# Altium PCB PCB2.PcbDoc (part 1 of 3)
Units mm, origin at the board's own origin, x right, y up, seen from the top; angles counter-clockwise.
Board outline 240 x 180 mm, 2 copper layers (Top Layer, Bottom Layer); 208 components, 303 nets, 999 pads, 430 vias.
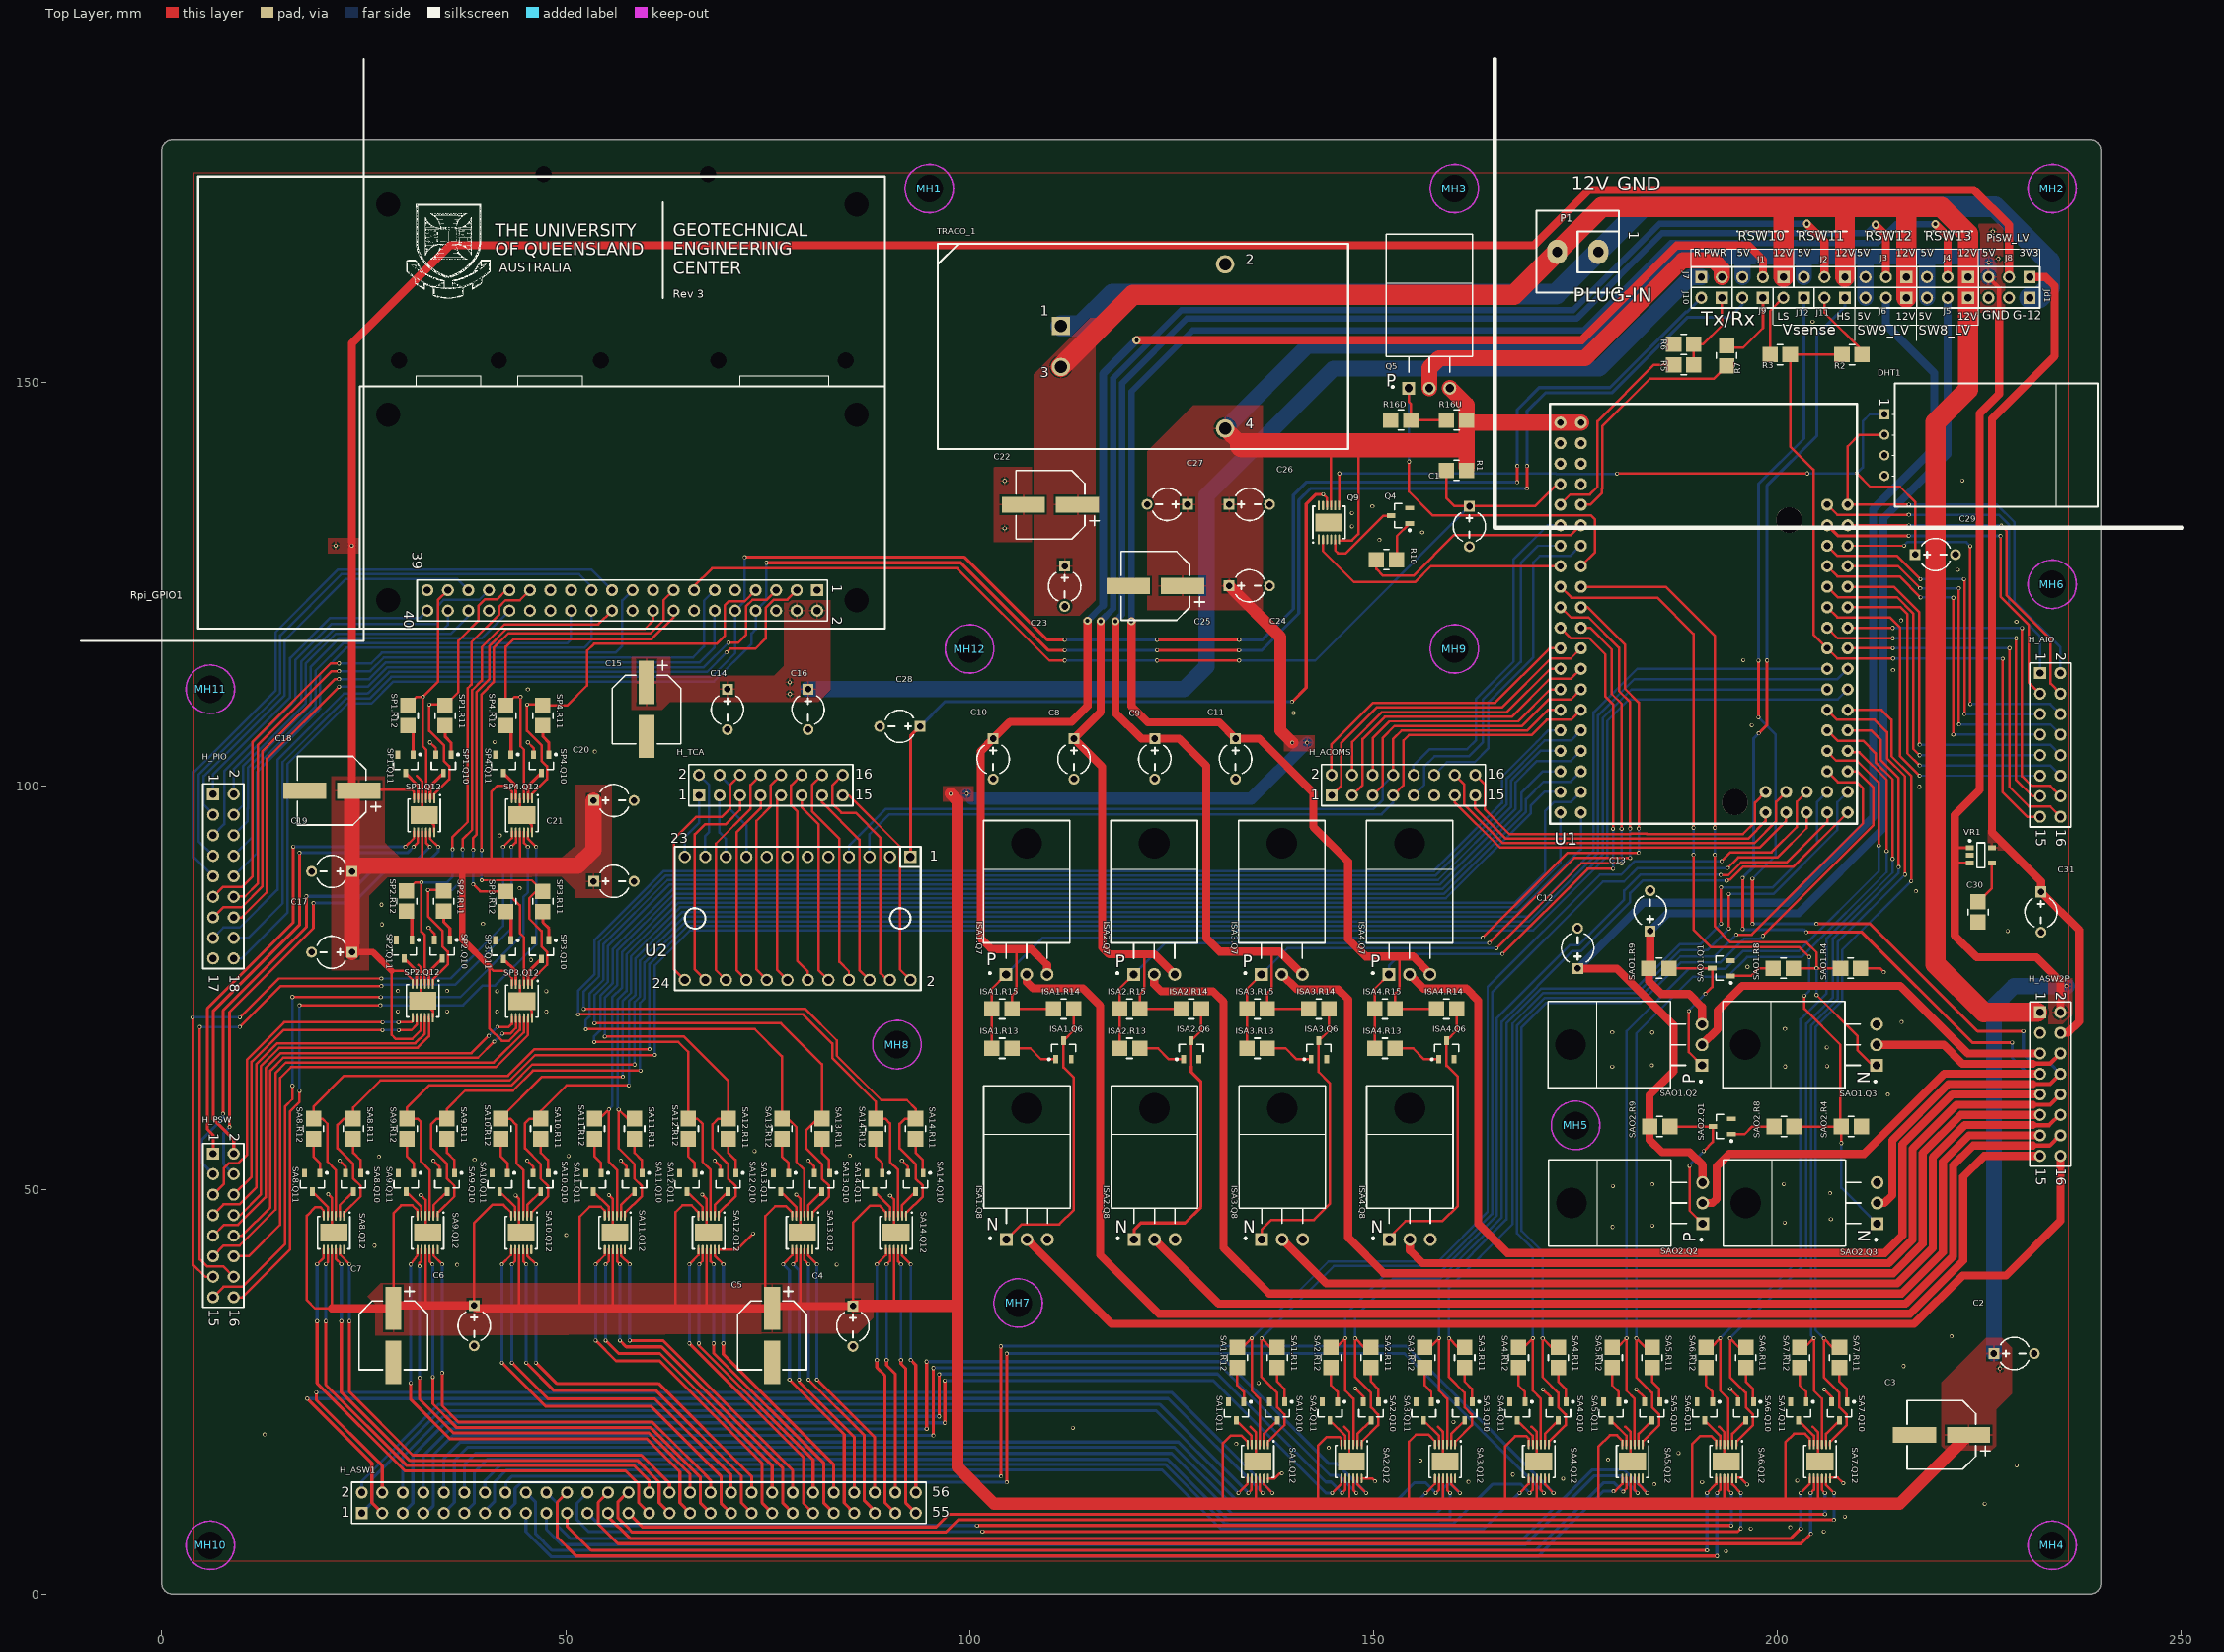
[diagram p0: Top Layer view]
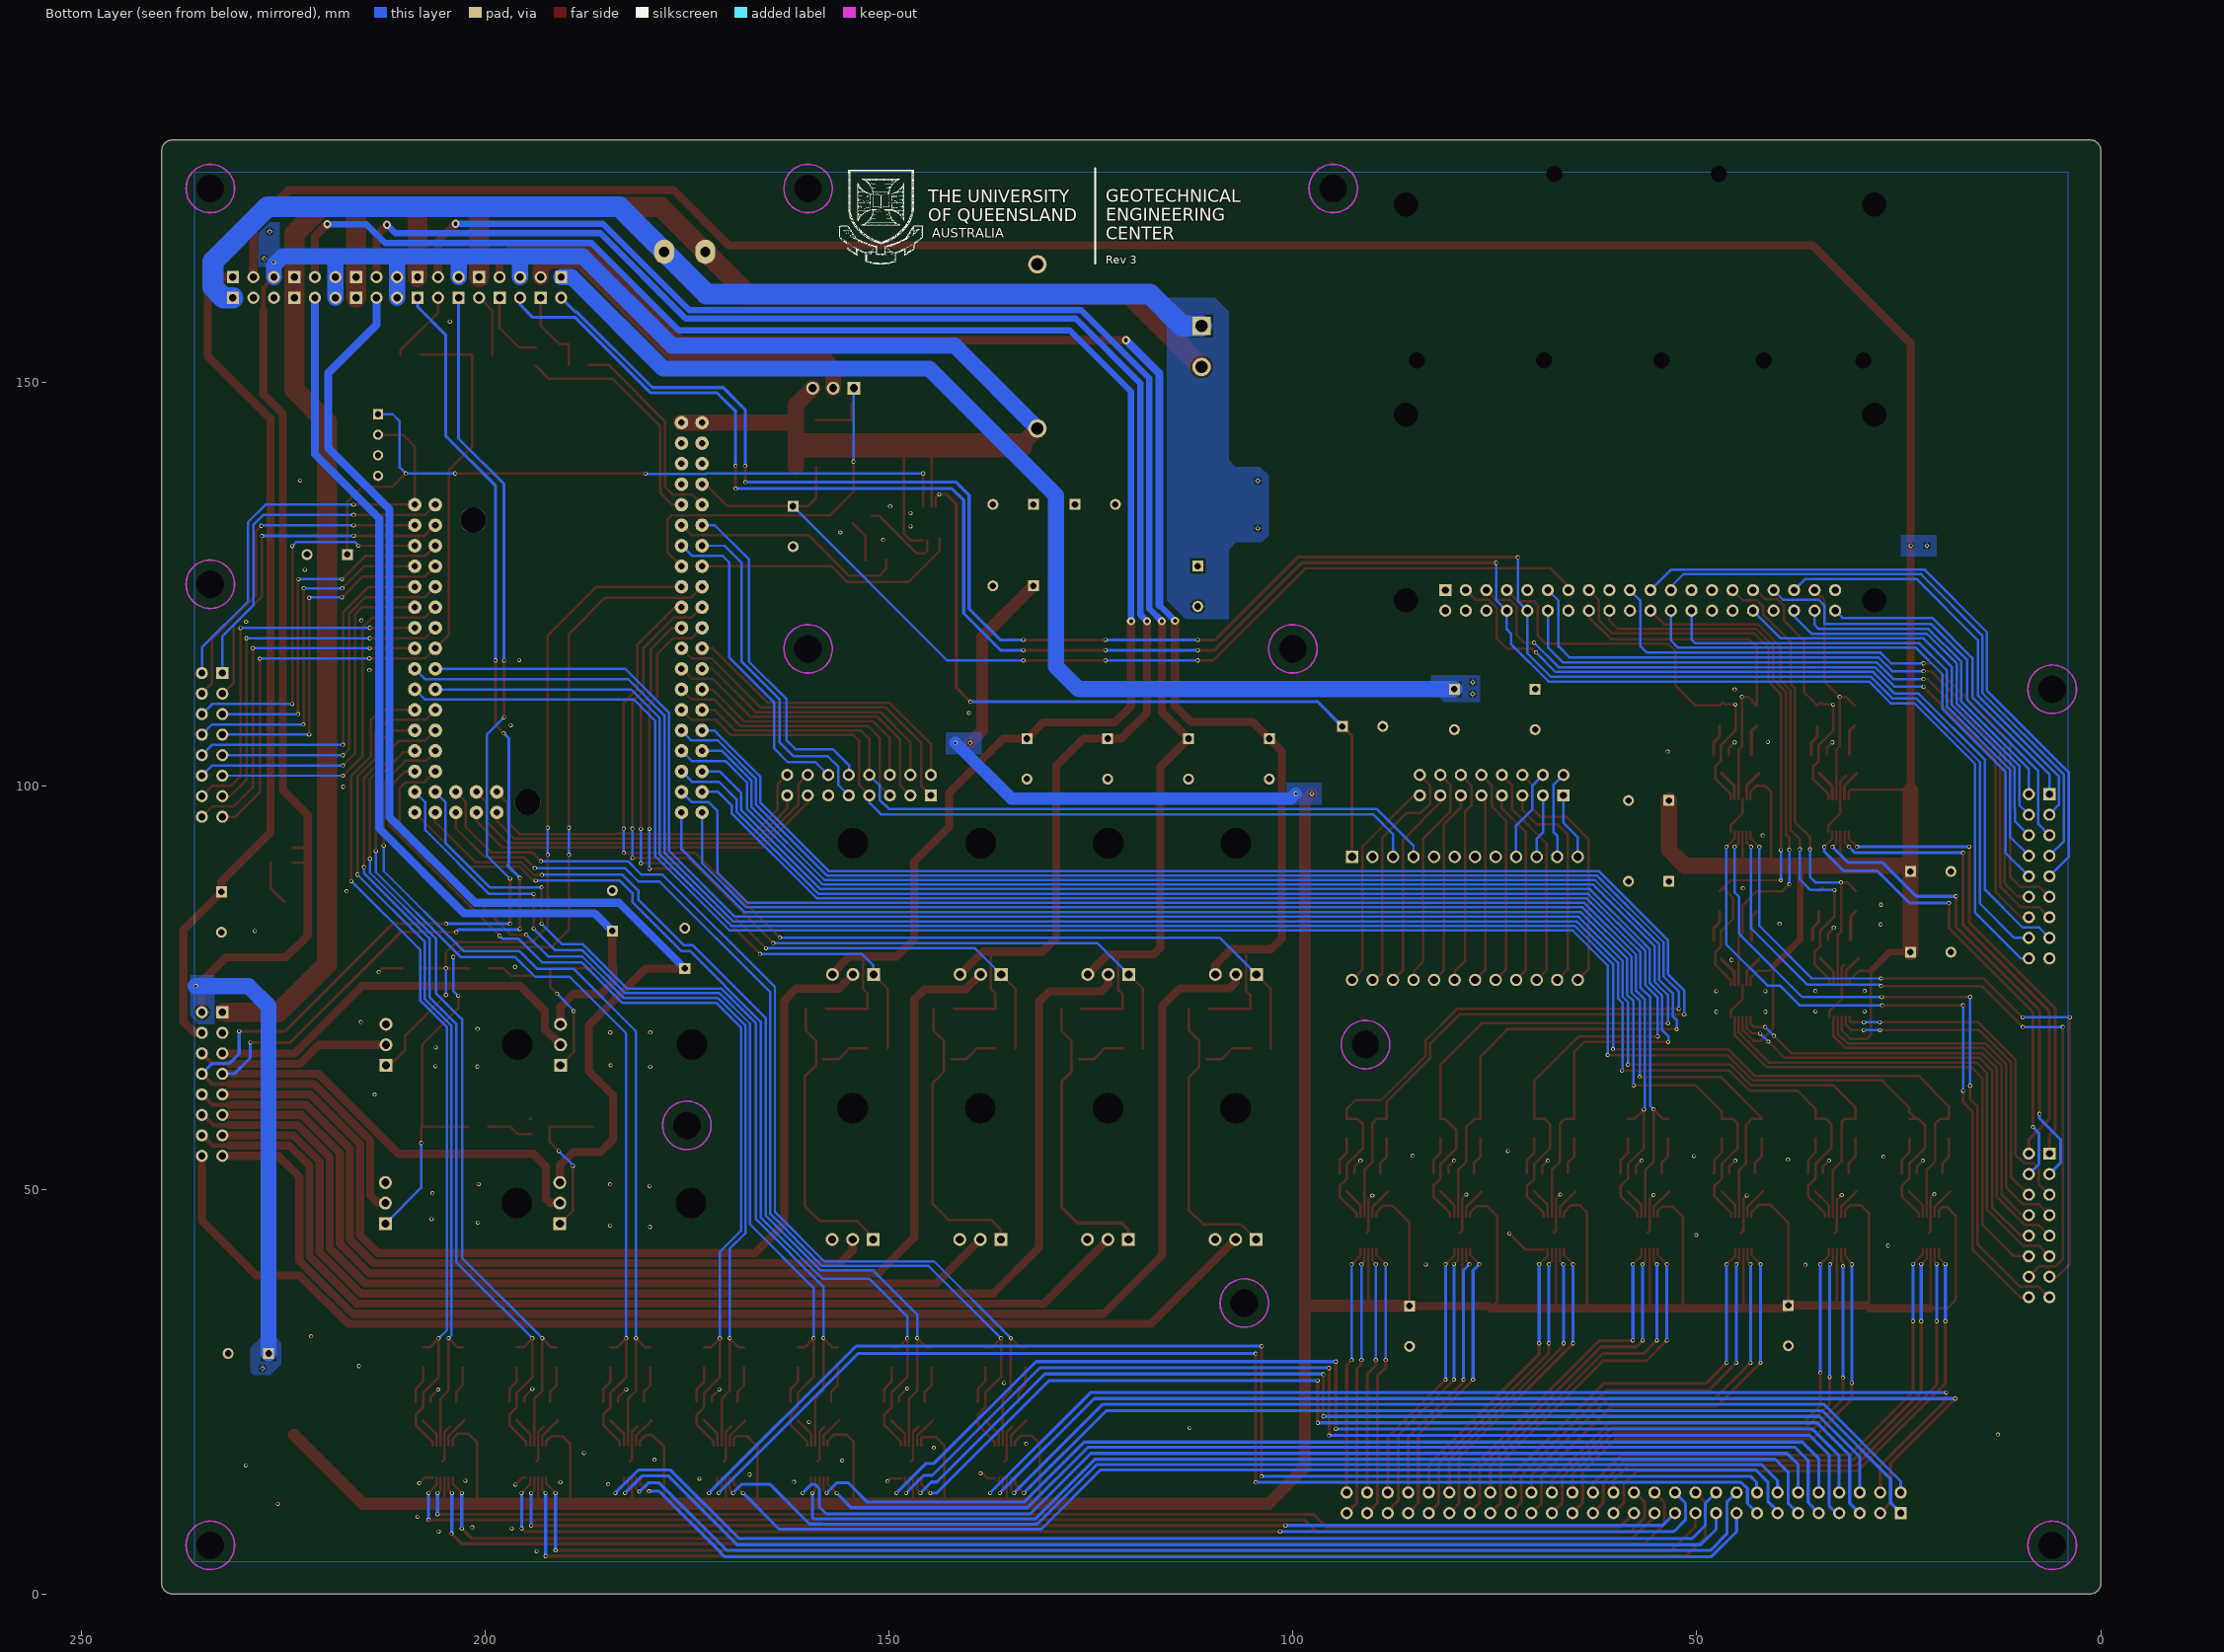
[diagram p1: Bottom Layer view, seen from below]

## Layer stack, top to bottom
Top Solder: solder mask 0.0102, Solder Resist, Dk 3.5
Top Layer: signal copper 0.0711
Dielectric 1: dielectric 0.32, FR-4, Dk 4.8
Bottom Layer: signal copper 0.0711
Bottom Solder: solder mask 0.0102, Solder Resist, Dk 3.5

## Board outline
0,1.27 0,178.73 cw(c1.27,178.73) 1.27,180 238.73,180 cw(c238.73,178.73) 240,178.73 240,1.27 cw(c238.73,1.27) 238.73,0 1.27,0 cw(c1.27,1.27)

## Design rules (kind name [scope] priority, off if disabled: settings)
Clearance [All] p1: gap=0.254 ignorepadtopadclearanceinfootprint=TRUE except(0: Arc-Hole Track-Hole SMDPad-Hole THPad-Hole Via-Hole Fill-Hole Poly-Hole Region-Hole Text-Hole)
Height [All] p1: minheight=0 maxheight=254 prefheight=254
PlaneConnect [All] p1: planeconnectstyle=Relief reliefexpansion=0.508 reliefentries=4 reliefconductorwidth=0.3 reliefairgap=0.254
PolygonConnect [All] p1: connectstyle=Relief reliefconductorwidth=0.254 reliefentries=4 polygonreliefangle="90 Angle" airgapwidth=0.254
RoomDefinition SAO1 [InComponentClass('SAO1')] p1: confinementstyle=ConfineIn formatcopy=TRUE lockcomponents=FALSE outline 213.921,62.272 213.921,79.492 171.243,79.492 171.243,62.272
RoomDefinition ISA4 [InComponentClass('ISA4')] p2: confinementstyle=ConfineIn formatcopy=TRUE lockcomponents=FALSE outline 148.28,42.609 162.08,42.609 162.08,96.209 148.28,96.209
RoomDefinition ISA3 [InComponentClass('ISA3')] p3: confinementstyle=ConfineIn formatcopy=TRUE lockcomponents=FALSE outline 132.48,42.609 146.28,42.609 146.28,96.209 132.48,96.209
RoomDefinition ISA2 [InComponentClass('ISA2')] p4: confinementstyle=ConfineIn formatcopy=TRUE lockcomponents=FALSE outline 116.68,42.609 130.48,42.609 130.48,96.209 116.68,96.209
RoomDefinition SA14 [InComponentClass('SA14')] p5: confinementstyle=ConfineIn formatcopy=TRUE lockcomponents=FALSE outline 86.08,40.21 95.68,40.21 95.68,60.514 86.08,60.514
RoomDefinition SA11 [InComponentClass('SA11')] p6: confinementstyle=ConfineIn formatcopy=TRUE lockcomponents=FALSE outline 51.28,40.21 60.88,40.21 60.88,60.514 51.28,60.514
RoomDefinition SR [InComponentClass('SR')] p7: confinementstyle=ConfineIn formatcopy=TRUE lockcomponents=FALSE outline 150.39,143.609 163.26,143.609 163.26,168.689 150.39,168.689
RoomDefinition SI-SH [InComponentClass('SI-SH')] p8: confinementstyle=ConfineIn formatcopy=TRUE lockcomponents=FALSE outline 142.12,126.42 155.454,126.42 155.454,136.64 142.12,136.64
RoomDefinition SA13 [InComponentClass('SA13')] p9: confinementstyle=ConfineIn formatcopy=TRUE lockcomponents=FALSE outline 74.48,40.21 84.08,40.21 84.08,60.514 74.48,60.514
RoomDefinition SA12 [InComponentClass('SA12')] p10: confinementstyle=ConfineIn formatcopy=TRUE lockcomponents=FALSE outline 62.88,40.21 72.48,40.21 72.48,60.514 62.88,60.514
RoomDefinition SA10 [InComponentClass('SA10')] p11: confinementstyle=ConfineIn formatcopy=TRUE lockcomponents=FALSE outline 39.68,40.21 49.28,40.21 49.28,60.514 39.68,60.514
RoomDefinition SA9 [InComponentClass('SA9')] p12: confinementstyle=ConfineIn formatcopy=TRUE lockcomponents=FALSE outline 28.08,40.21 37.68,40.21 37.68,60.514 28.08,60.514
RoomDefinition SA8 [InComponentClass('SA8')] p13: confinementstyle=ConfineIn formatcopy=TRUE lockcomponents=FALSE outline 16.48,40.21 26.08,40.21 26.08,60.514 16.48,60.514
RoomDefinition SA7 [InComponentClass('SA7')] p14: confinementstyle=ConfineIn formatcopy=TRUE lockcomponents=FALSE outline 200.444,11.883 210.044,11.883 210.044,32.186 200.444,32.186
RoomDefinition SA6 [InComponentClass('SA6')] p15: confinementstyle=ConfineIn formatcopy=TRUE lockcomponents=FALSE outline 188.844,11.883 198.444,11.883 198.444,32.186 188.844,32.186
RoomDefinition SA5 [InComponentClass('SA5')] p16: confinementstyle=ConfineIn formatcopy=TRUE lockcomponents=FALSE outline 177.244,11.883 186.844,11.883 186.844,32.186 177.244,32.186
RoomDefinition SA4 [InComponentClass('SA4')] p17: confinementstyle=ConfineIn formatcopy=TRUE lockcomponents=FALSE outline 165.644,11.883 175.244,11.883 175.244,32.186 165.644,32.186
RoomDefinition SA3 [InComponentClass('SA3')] p18: confinementstyle=ConfineIn formatcopy=TRUE lockcomponents=FALSE outline 154.044,11.883 163.644,11.883 163.644,32.186 154.044,32.186
RoomDefinition SA2 [InComponentClass('SA2')] p19: confinementstyle=ConfineIn formatcopy=TRUE lockcomponents=FALSE outline 142.444,11.883 152.044,11.883 152.044,32.186 142.444,32.186
RoomDefinition SA1 [InComponentClass('SA1')] p20: confinementstyle=ConfineIn formatcopy=TRUE lockcomponents=FALSE outline 130.844,11.883 140.444,11.883 140.444,32.186 130.844,32.186
RoomDefinition ISA1 [InComponentClass('ISA1')] p21: confinementstyle=ConfineIn formatcopy=TRUE lockcomponents=FALSE outline 100.88,42.609 114.68,42.609 114.68,96.209 100.88,96.209
RoomDefinition SP4 [InComponentClass('SP4')] p22: confinementstyle=ConfineIn formatcopy=FALSE lockcomponents=FALSE outline 40.244,91.949 49.284,91.949 49.284,111.539 40.244,111.539
RoomDefinition SP3 [InComponentClass('SP3')] p23: confinementstyle=ConfineIn formatcopy=FALSE lockcomponents=FALSE outline 40.244,68.95 49.284,68.95 49.284,88.54 40.244,88.54
RoomDefinition SP2 [InComponentClass('SP2')] p24: confinementstyle=ConfineIn formatcopy=FALSE lockcomponents=FALSE outline 27.97,68.99 37.01,68.99 37.01,88.58 27.97,88.58
RoomDefinition SAO2 [InComponentClass('SAO2')] p25: confinementstyle=ConfineIn formatcopy=TRUE lockcomponents=FALSE outline 213.999,42.676 213.999,59.896 171.32,59.896 171.32,42.676
RoomDefinition SP1 [InComponentClass('SP1')] p26: confinementstyle=ConfineIn formatcopy=FALSE lockcomponents=FALSE outline 28.134,91.949 37.174,91.949 37.174,111.539 28.134,111.539
RoutingVias [All] p1: holewidth=1 width=1.27 viastyle="Through Hole" minholewidth=0.3 minwidth=0.5 maxholewidth=1 maxwidth=2
SolderMaskExpansion [All] p1: expansion=0.102
UnConnectedPin [All] p1:
UnRoutedNet [All] p1: checkbadconnections=TRUE
Width [All] p1: maxlimit=5 minlimit=0.305 preferedwidth=0.305 minimp=50.000000 maximp=50.000000 favimp=50.000000
27 further rules are at their usual default settings.

## Classes and differential pairs
net class PI_LS_[1..8]: PI_LS_1 PI_LS_2 PI_LS_3 PI_LS_4 PI_LS_5 PI_LS_6 PI_LS_7 PI_LS_8
net class PWM[1..2]: PWM1 PWM2
net class PI_HS_[1..8]: PI_HS_1 PI_HS_2 PI_HS_3 PI_HS_4 PI_HS_5 PI_HS_6 PI_HS_7 PI_HS_8
net class INV_5V12V_LS_[1..4]: INV_5V12V_LS_1 INV_5V12V_LS_2 INV_5V12V_LS_3 INV_5V12V_LS_4
net class INV_5V12V_HS_[1..4]: INV_5V12V_HS_1 INV_5V12V_HS_2 INV_5V12V_HS_3 INV_5V12V_HS_4
net class AD[0..15]: AD0 AD1 AD2 AD3 AD4 AD5 AD6 AD7 AD8 AD9 AD10 AD11 AD12 AD13 AD14 AD15
component class SR: Q5 R16D R16U
component class SI-SH: Q4 Q9 R10
channel class Inverted_HS_LS_switch_HI_PWR: ISA1 ISA2 ISA3 ISA4
channel class HS_LS_Switch_LOW_PWR: SA1 SA2 SA3 SA4 SA5 SA6 SA7 SA8 SA9 SA10 SA11 SA12 SA13 SA14 SP1 SP2 SP3 SP4
channel class HS_LS_switch_HI_PWR: SAO1 SAO2
component class ISA4: ISA4.Q6 ISA4.Q7 ISA4.Q8 ISA4.R13 ISA4.R14 ISA4.R15
component class ISA3: ISA3.Q6 ISA3.Q7 ISA3.Q8 ISA3.R13 ISA3.R14 ISA3.R15
component class SAO2: SA02.R4 SAO2.Q1 SAO2.Q2 SAO2.Q3 SAO2.R4 SAO2.R8 SAO2.R9
component class SAO1: SA01.R4 SAO1.Q1 SAO1.Q2 SAO1.Q3 SAO1.R4 SAO1.R8 SAO1.R9
component class ISA2: ISA2.Q6 ISA2.Q7 ISA2.Q8 ISA2.R13 ISA2.R14 ISA2.R15
component class ISA1: ISA1.Q6 ISA1.Q7 ISA1.Q8 ISA1.R13 ISA1.R14 ISA1.R15
component class SP4: SP4.Q10 SP4.Q11 SP4.Q12 SP4.R11 SP4.R12
component class SP3: SP3.Q10 SP3.Q11 SP3.Q12 SP3.R11 SP3.R12
component class SP2: SP2.Q10 SP2.Q11 SP2.Q12 SP2.R11 SP2.R12
component class "Top level": C22 C23 C24 C25 C26 C27 C28 C29 C30 C31 DHT1 H_ACOMS H_AIO H_ASW1 H_ASW2P H_PIO H_PSW H_TCA J7 J9 J10 Jd1 MH1 MH2 MH3 MH4 MH5 MH6 MH7 MH8 MH9 MH10 MH11 MH12 P1 P30 P? R5 R6 R7 TRACO_1 U2 VR1
component class SA14: SA14.Q10 SA14.Q11 SA14.Q12 SA14.R11 SA14.R12
component class SA13: SA13.Q10 SA13.Q11 SA13.Q12 SA13.R11 SA13.R12
component class SA12: SA12.Q10 SA12.Q11 SA12.Q12 SA12.R11 SA12.R12
component class SA11: SA11.Q10 SA11.Q11 SA11.Q12 SA11.R11 SA11.R12
component class SA10: SA10.Q10 SA10.Q11 SA10.Q12 SA10.R11 SA10.R12
component class SA9: SA9.Q10 SA9.Q11 SA9.Q12 SA9.R11 SA9.R12
component class SA8: SA8.Q10 SA8.Q11 SA8.Q12 SA8.R11 SA8.R12
component class SA7: SA7.Q10 SA7.Q11 SA7.Q12 SA7.R11 SA7.R12
component class SA6: SA6.Q10 SA6.Q11 SA6.Q12 SA6.R11 SA6.R12
component class SA5: SA5.Q10 SA5.Q11 SA5.Q12 SA5.R11 SA5.R12
component class SA4: SA4.Q10 SA4.Q11 SA4.Q12 SA4.R11 SA4.R12
component class SA3: SA3.Q10 SA3.Q11 SA3.Q12 SA3.R11 SA3.R12
component class SA2: SA2.Q10 SA2.Q11 SA2.Q12 SA2.R11 SA2.R12
component class SA1: SA1.Q10 SA1.Q11 SA1.Q12 SA1.R11 SA1.R12
component class RPi_schematics: C14 C15 C16 C17 C18 C19 C20 C21 J8 Rpi_GPIO1
component class SP1: SP1.Q10 SP1.Q11 SP1.Q12 SP1.R11 SP1.R12
component class Arduino_2560_schematics: C1 C2 C3 C4 C5 C6 C7 C8 C9 C10 C11 C12 C13 J1 J2 J3 J4 J5 J6 J11 J12 R1 R2 R3 SP1 U1

## Components (designator, comment, footprint, x,y, rotation, side; value= is the part's Value field where it differs from the comment)
C1 "1u" CAPR5-4X5 161.854,132.16 r270 top
C2 "1u" CAPR5-4X5 229.29,29.76 r0 top
C3 "220u" CAPAE9083X80M 220.29,19.68 r180 top
C4 "220u" CAPR5-4X5 85.548,33.14 r270 top
C5 "1u" CAPAE9083X80M 75.548,32 r270 top
C6 "1u" CAPR5-4X5 38.669,33.204 r270 top
C7 "220u" CAPAE9083X80M 28.669,32 r270 top
C8 "10u" CAPR5-4X5 112.914,103.38 r270 top
C9 "10u" CAPR5-4X5 122.914,103.38 r270 top
C10 "10u" CAPR5-4X5 102.914,103.38 r270 top
C11 "10u" CAPR5-4X5 132.914,103.38 r270 top
C12 "10u" CAPR5-4X5 175.26,79.92 r90 top
C13 "10u" CAPR5-4X5 184.23,84.57 r90 top
C14 "10u" CAPR5-4X5 70.004,109.5 r270 top
C15 "1u" CAPAE9083X80M 60.004,109.5 r270 top
C16 "N/C" CAPR5-4X5 80.004,109.5 r270 top
C17 "1u" CAPR5-4X5 21.038,79.441 r180 top
C18 "220u" CAPAE9083X80M 21.038,99.441 r180 top
C19 "10u" CAPR5-4X5 21.038,89.441 r180 top
C20 "220u" CAPR5-4X5 55.95,98.221 r0 top
C21 "10u" CAPR5-4X5 55.95,88.221 r0 top
C22 "220u" CAPAE9083X80M 110,134.848 r180 top
C23 "1u" CAPR5-4X5 111.764,124.758 r270 top
C24 "220u" CAPR5-4X5 134.624,124.798 r0 top
C25 "10u" CAPAE9083X80M 123,124.798 r180 top
C26 "220u" CAPR5-4X5 134.624,134.888 r0 top
C27 "10u" CAPR5-4X5 124.464,134.888 r180 top
C28 "220u" CAPR5-4X5 91.363,107.4 r180 top
C29 "220u" CAPR5-4X5 219.53,128.68 r0 top
C30 "470p" RES-1206_M 224.83,84.42 r270 top
C31 "2.2uF" CAPR5-4X5 232.62,84.41 r270 top
DHT1 "DHT22" DHT22_HORIZONTAL 213.234,142.24 r270 top
H_ACOMS "Header 8X2" HDR2X8 144.8,98.85 r0 top
H_AIO "Header 8X2" HDR2X8 232.5,114 r270 top
H_ASW1 "Header 28X2" HDR2X28 24.75,10 r0 top
H_ASW2P "Header 8X2" HDR2X8 232.5,72 r270 top
H_PIO "Header 9X2" HDR2X9 6.35,99 r270 top
H_PSW "Header 8X2" HDR2X8 6.35,54.5 r270 top
H_TCA "Header 8X2" HDR2X8 66.5,98.85 r0 top
ISA1.Q6 "BC848B" INF-SOT23_N 111.624,67.343 r90 top (schematic designator Q6)
ISA1.Q7 "D16N5" TO-220AB_TABDOWN_PMOS#1 107.044,76.693 r0 top (schematic designator Q7)
ISA1.Q8 "MOSFET-N" TO-220AB_TABDOWN_NMOS 107.084,43.873 r0 top (schematic designator Q8)
ISA1.R13 "330" RES-1206_M 104.004,67.543 r0 top (schematic designator R13)
ISA1.R14 "4K7" RES-1206_M 111.624,72.423 r180 top (schematic designator R14)
ISA1.R15 "4K7" RES-1206_M 104.004,72.423 r0 top (schematic designator R15)
ISA2.Q6 "BC848B" INF-SOT23_N 127.424,67.343 r90 top (schematic designator Q6)
ISA2.Q7 "D16N5" TO-220AB_TABDOWN_PMOS#1 122.844,76.693 r0 top (schematic designator Q7)
ISA2.Q8 "MOSFET-N" TO-220AB_TABDOWN_NMOS 122.884,43.873 r0 top (schematic designator Q8)
ISA2.R13 "330" RES-1206_M 119.804,67.543 r0 top (schematic designator R13)
ISA2.R14 "4K7" RES-1206_M 127.424,72.423 r180 top (schematic designator R14)
ISA2.R15 "4K7" RES-1206_M 119.804,72.423 r0 top (schematic designator R15)
ISA3.Q6 "BC848B" INF-SOT23_N 143.224,67.343 r90 top (schematic designator Q6)
ISA3.Q7 "D16N5" TO-220AB_TABDOWN_PMOS#1 138.644,76.693 r0 top (schematic designator Q7)
ISA3.Q8 "MOSFET-N" TO-220AB_TABDOWN_NMOS 138.684,43.873 r0 top (schematic designator Q8)
ISA3.R13 "330" RES-1206_M 135.604,67.543 r0 top (schematic designator R13)
ISA3.R14 "4K7" RES-1206_M 143.224,72.423 r180 top (schematic designator R14)
ISA3.R15 "4K7" RES-1206_M 135.604,72.423 r0 top (schematic designator R15)
ISA4.Q6 "BC848B" INF-SOT23_N 159.024,67.343 r90 top (schematic designator Q6)
ISA4.Q7 "D16N5" TO-220AB_TABDOWN_PMOS#1 154.444,76.693 r0 top (schematic designator Q7)
ISA4.Q8 "MOSFET-N" TO-220AB_TABDOWN_NMOS 154.484,43.873 r0 top (schematic designator Q8)
ISA4.R13 "330" RES-1206_M 151.404,67.543 r0 top (schematic designator R13)
ISA4.R14 "4K7" RES-1206_M 159.024,72.423 r180 top (schematic designator R14)
ISA4.R15 "4K7" RES-1206_M 151.404,72.423 r0 top (schematic designator R15)
J1 "5V-12V Jumper" HDR1X3 200.723,163.02 r180 top
J2 "5V-12V Jumper" HDR1X3 208.343,163.03 r180 top
J3 "5V-12V Jumper" HDR1X3 215.963,163.03 r180 top
J4 "5V-12V Jumper" HDR1X3 223.583,163.03 r180 top
J5 "Header 3" HDR1X3 223.583,160.48 r180 top
J6 "Header 3" HDR1X3 215.963,160.48 r180 top
J7 "Header 2" HDR1X2 190.563,163.02 r0 top
J8 "Header 3" HDR1X3 231.203,163.03 r180 top
J9 "Header 2" HDR1X2 198.183,160.48 r180 top
J10 "Header 2" HDR1X2 193.103,160.48 r180 top
J11 "Header 2" HDR1X2 208.343,160.48 r180 top
J12 "Header 2" HDR1X2 203.263,160.48 r180 top
Jd1 "12V-5V GND" HDR1X3 231.203,160.48 r180 top
MH1 "MOUNTING_HOLE" M3 95,174 r0 top
MH2 "MOUNTING_HOLE" M3 234,174 r0 top
MH3 "MOUNTING_HOLE" M3 160,174 r0 top
MH4 "MOUNTING_HOLE" M3 234,6 r0 top
MH5 "MOUNTING_HOLE" M3 175,58 r0 top
MH6 "MOUNTING_HOLE" M3 234,125 r0 top
MH7 "MOUNTING_HOLE" M3 106,36 r0 top
MH8 "MOUNTING_HOLE" M3 91,68 r0 top
MH9 "MOUNTING_HOLE" M3 160,117 r0 top
MH10 "MOUNTING_HOLE" M3 6,6 r0 top
MH11 "MOUNTING_HOLE" M3 6,112 r0 top
MH12 "MOUNTING_HOLE" M3 100,117 r0 top
P1 "PLUG IN" PHOENIX_2PIN 175.264,166.168 r270 top
Q4 "BC848B" INF-SOT23_N 153.304,133.49 r180 top
Q5 "IPP120P04P404AKSA1" TO-220AB_TABDOWN_PMOS#2 156.894,149.28 r0 top
Q9 "TC8220" DFN-12 144.484,132.65 r90 top
R1 "4K7" RES-1206_M 160.264,139.11 r0 top
R2 "2K" RES-1206_M 209.224,153.43 r0 top
R3 "680" RES-1206_M 200.314,153.43 r0 top
R5 "1K" RES-1206_M 188.394,152.18 r0 top
R6 "1K8" RES-1206_M 188.394,154.7 r180 top
R7 "330" RES-1206_M 193.684,153.3 r270 top
R10 "330" RES-1206_M 151.594,128.05 r0 top
R16D "1M" RES-1206_M 153.374,145.34 r0 top
R16U "4K7" RES-1206_M 160.274,145.34 r0 top
Rpi_GPIO1 "Rpi_GPIO" RPI_Z_GPIO_HDR2X20 81.13,124.27 r270 top
SA1.Q10 "BC848B" INF-SOT23_N 138.068,22.624 r270 top (schematic designator Q10)
SA1.Q11 "BC848B" INF-SOT23_N 132.996,22.624 r270 top (schematic designator Q11)
SA1.Q12 "TC8220" DFN-12 135.654,16.383 r270 top (schematic designator Q12)
SA1.R11 "330" RES-1206_M 138.068,29.26 r270 top (schematic designator R11)
SA1.R12 "330" RES-1206_M 133.133,29.26 r270 top (schematic designator R12)
SA2.Q10 "BC848B" INF-SOT23_N 149.668,22.624 r270 top (schematic designator Q10)
SA2.Q11 "BC848B" INF-SOT23_N 144.596,22.624 r270 top (schematic designator Q11)
SA2.Q12 "TC8220" DFN-12 147.254,16.383 r270 top (schematic designator Q12)
SA2.R11 "330" RES-1206_M 149.668,29.26 r270 top (schematic designator R11)
SA2.R12 "330" RES-1206_M 144.733,29.26 r270 top (schematic designator R12)
SA3.Q10 "BC848B" INF-SOT23_N 161.268,22.624 r270 top (schematic designator Q10)
SA3.Q11 "BC848B" INF-SOT23_N 156.196,22.624 r270 top (schematic designator Q11)
SA3.Q12 "TC8220" DFN-12 158.854,16.383 r270 top (schematic designator Q12)
SA3.R11 "330" RES-1206_M 161.268,29.26 r270 top (schematic designator R11)
SA3.R12 "330" RES-1206_M 156.333,29.26 r270 top (schematic designator R12)
SA4.Q10 "BC848B" INF-SOT23_N 172.868,22.624 r270 top (schematic designator Q10)
SA4.Q11 "BC848B" INF-SOT23_N 167.796,22.624 r270 top (schematic designator Q11)
SA4.Q12 "TC8220" DFN-12 170.454,16.383 r270 top (schematic designator Q12)
SA4.R11 "330" RES-1206_M 172.868,29.26 r270 top (schematic designator R11)
SA4.R12 "330" RES-1206_M 167.933,29.26 r270 top (schematic designator R12)
SA5.Q10 "BC848B" INF-SOT23_N 184.468,22.624 r270 top (schematic designator Q10)
SA5.Q11 "BC848B" INF-SOT23_N 179.396,22.624 r270 top (schematic designator Q11)
SA5.Q12 "TC8220" DFN-12 182.054,16.383 r270 top (schematic designator Q12)
SA5.R11 "330" RES-1206_M 184.468,29.26 r270 top (schematic designator R11)
SA5.R12 "330" RES-1206_M 179.533,29.26 r270 top (schematic designator R12)
SA6.Q10 "BC848B" INF-SOT23_N 196.068,22.624 r270 top (schematic designator Q10)
SA6.Q11 "BC848B" INF-SOT23_N 190.996,22.624 r270 top (schematic designator Q11)
SA6.Q12 "TC8220" DFN-12 193.654,16.383 r270 top (schematic designator Q12)
SA6.R11 "330" RES-1206_M 196.068,29.26 r270 top (schematic designator R11)
SA6.R12 "330" RES-1206_M 191.133,29.26 r270 top (schematic designator R12)
SA7.Q10 "BC848B" INF-SOT23_N 207.668,22.624 r270 top (schematic designator Q10)
SA7.Q11 "BC848B" INF-SOT23_N 202.596,22.624 r270 top (schematic designator Q11)
SA7.Q12 "TC8220" DFN-12 205.254,16.383 r270 top (schematic designator Q12)
SA7.R11 "330" RES-1206_M 207.668,29.26 r270 top (schematic designator R11)
SA7.R12 "330" RES-1206_M 202.733,29.26 r270 top (schematic designator R12)